# Altium PCB 飞镖测速模块.PcbDoc
Units mil, origin at the board's own origin, x right, y up, seen from the top; angles counter-clockwise.
Board outline 1835.03 x 1510.03 mil, 2 copper layers (Top Layer, Bottom Layer); 57 components, 36 nets, 169 pads, 38 vias.
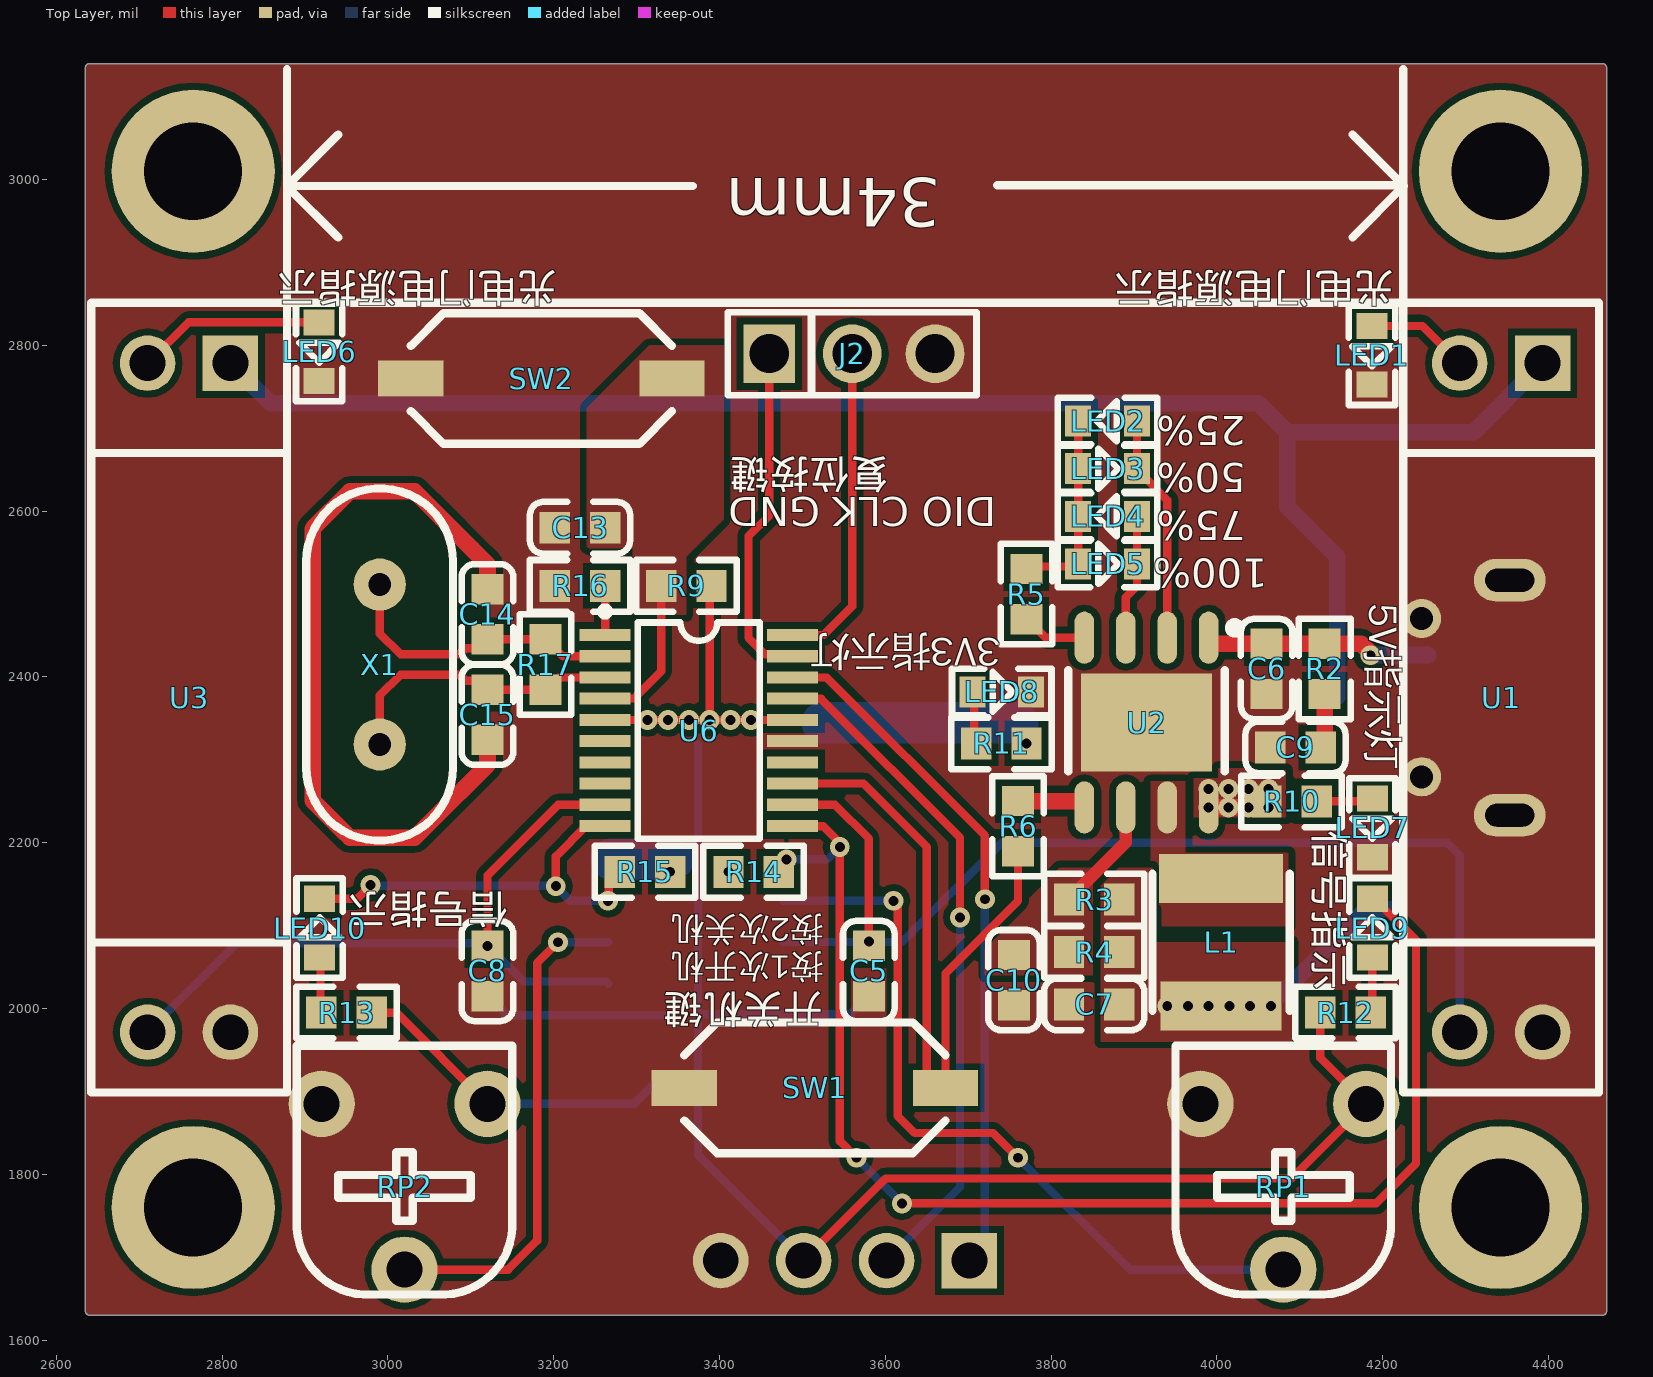
[diagram p0: Top Layer view]
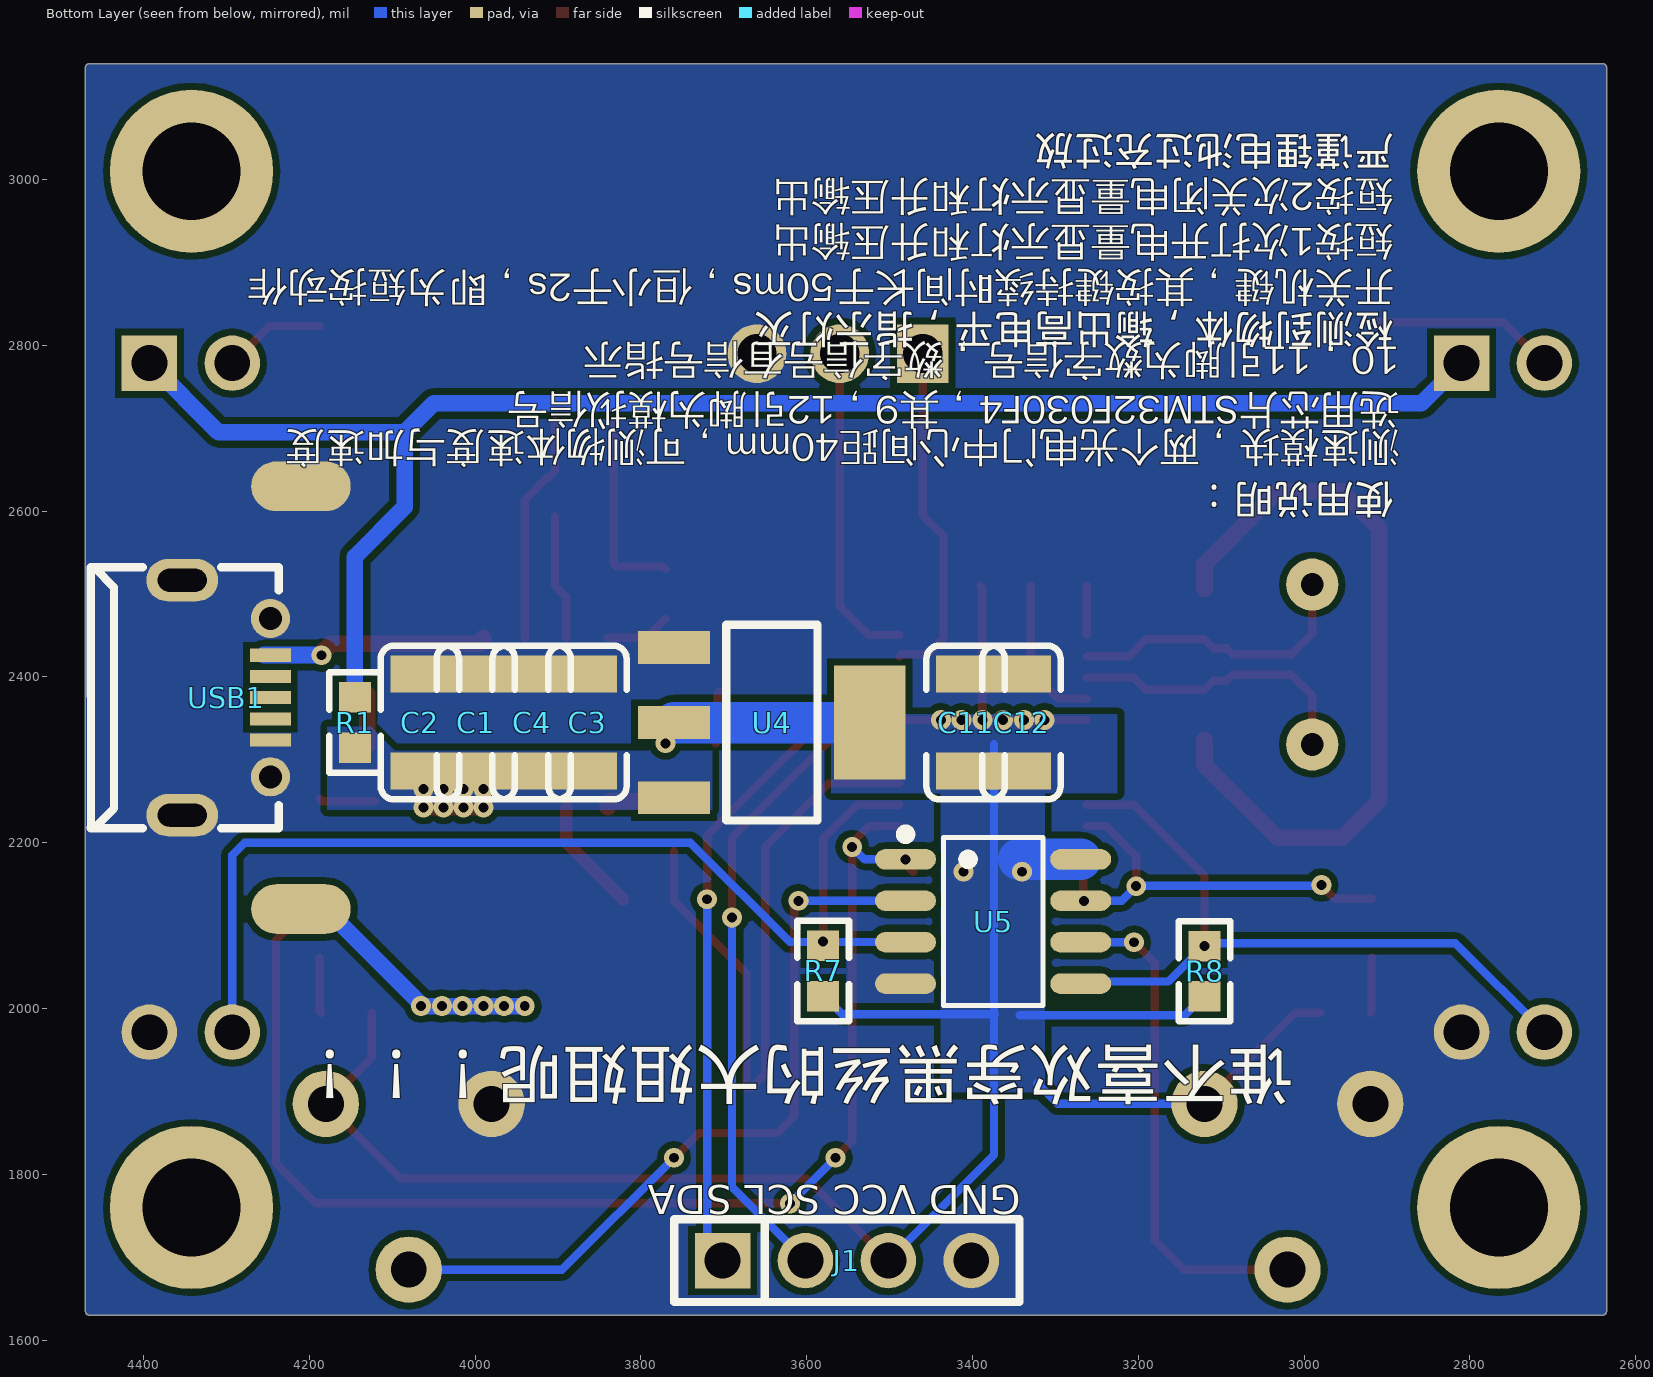
[diagram p1: Bottom Layer view, seen from below]
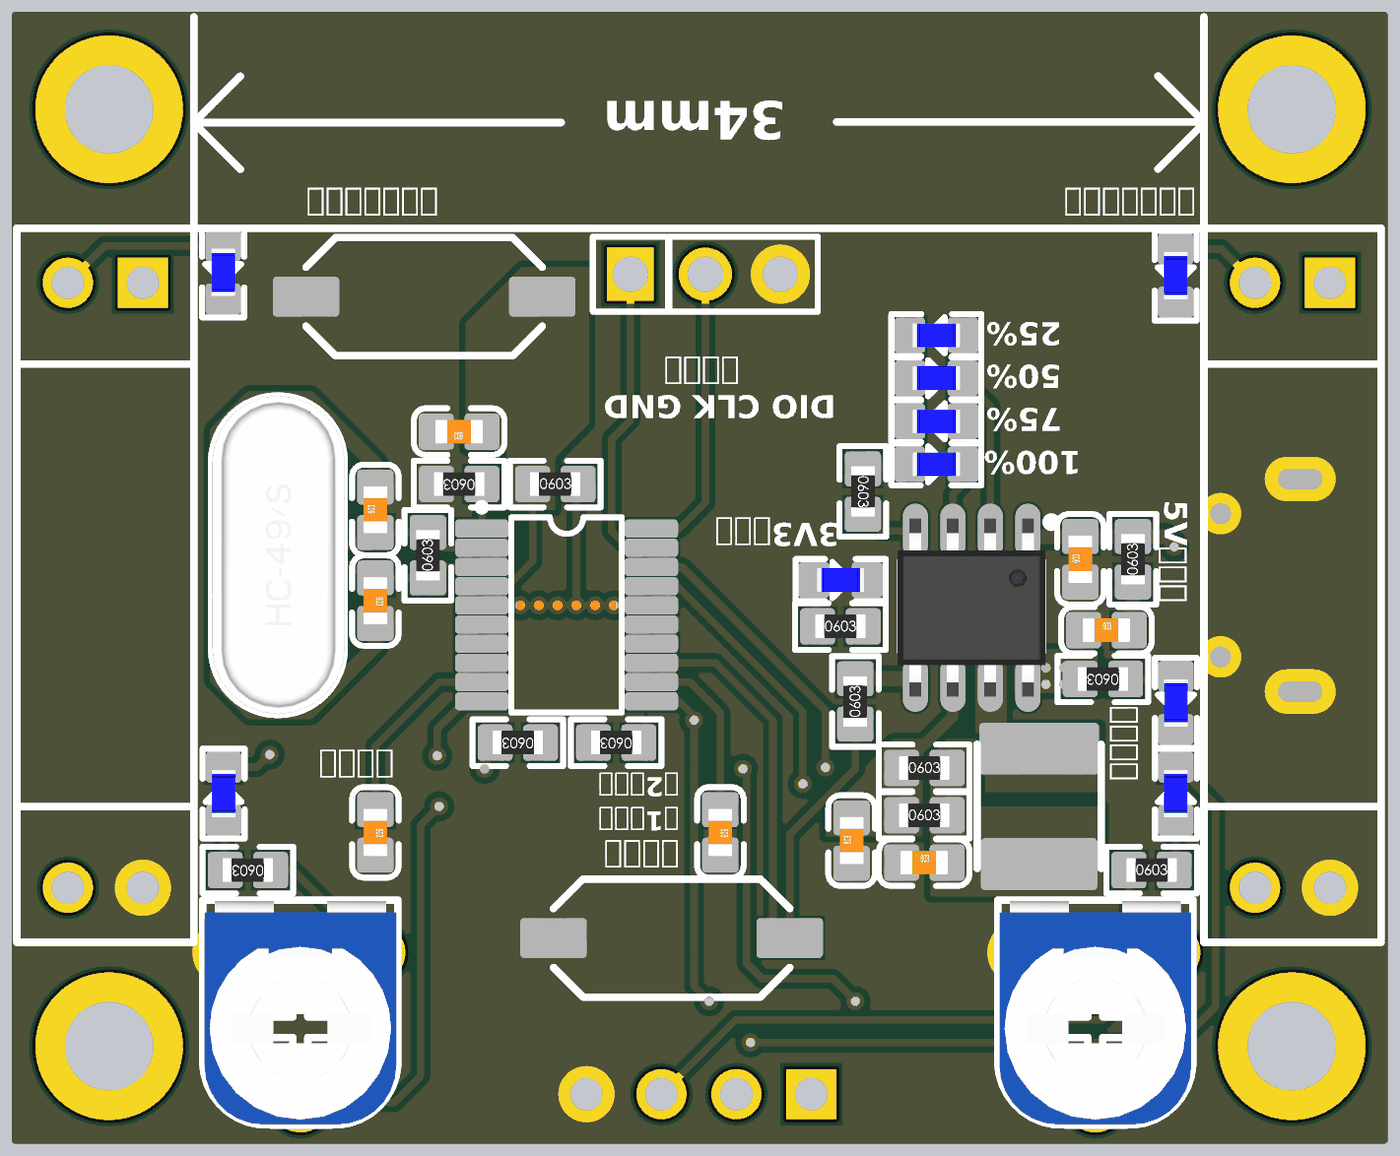
[diagram p2: 3D render of the assembled board from above, using the file's embedded part models]
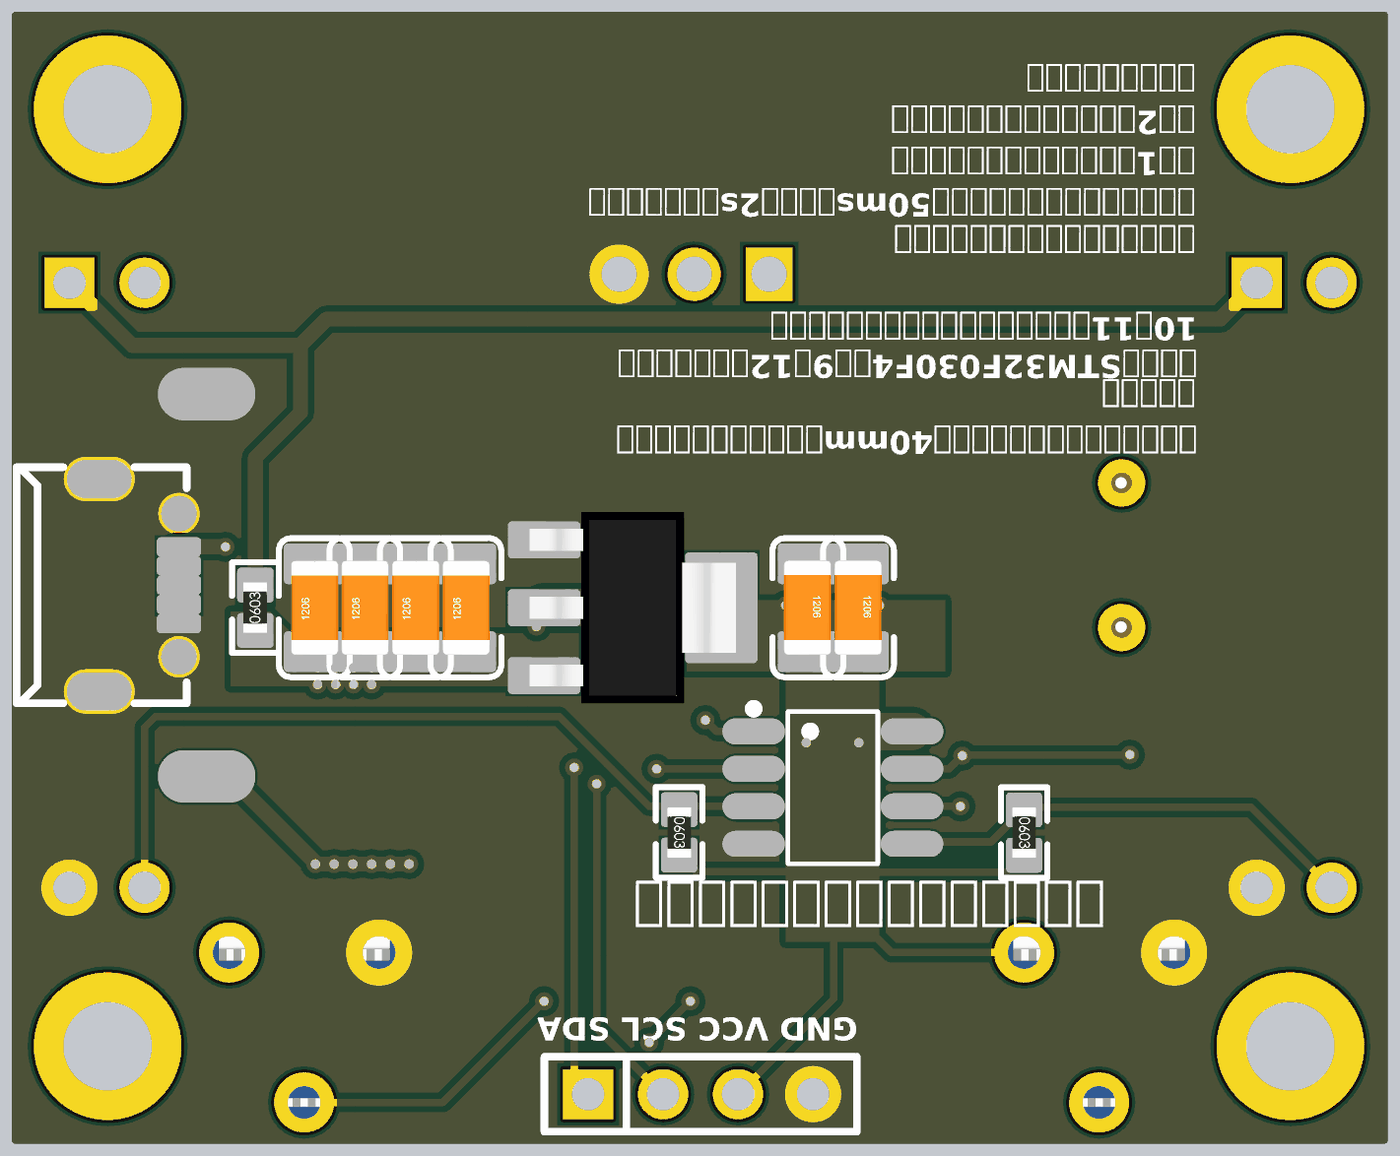
[diagram p3: 3D render of the assembled board from below, using the file's embedded part models]

## Layer stack, top to bottom
Top Solder: solder mask 0.4, Solder Resist, Dk 3.5
Top Layer: signal copper 1.4
Dielectric 1: dielectric 12.6, FR-4, Dk 4.8
Bottom Layer: signal copper 1.4
Bottom Solder: solder mask 0.4, Solder Resist, Dk 3.5

## Board outline
2634.99,1635 ccw(c2640,1635) 2641,1630.09 ccw(c2642,1635) 2642,1629.98 4465,1629.98 ccw(c4465,1635) 4470.02,1635 4470.01,3135 ccw(c4465,3135) 4465,3140.01 2642,3140.01 ccw(c2642,3135) 2641,3139.91 ccw(c2640,3135) 2634.99,3135

## Design rules (kind name [scope] priority, off if disabled: settings)
Clearance [All] p1: gap=8 ignorepadtopadclearanceinfootprint=TRUE
PasteMaskExpansion [All] p1: expansion=5
PolygonConnect [All] p1: connectstyle=Direct reliefconductorwidth=10 reliefentries=4 polygonreliefangle="90 Angle" airgapwidth=10
RoomDefinition 飞镖测速模块 [InComponentClass('飞镖测速模块')] p1: confinementstyle=ConfineIn formatcopy=TRUE lockcomponents=FALSE outline 0,0 2000,0 2000,1000 0,1000
RoutingVias [All] p1: holewidth=12 width=24 viastyle="Through Hole" minholewidth=12 minwidth=24 maxholewidth=28 maxwidth=50
SolderMaskExpansion [All] p1: expansion=4 istentingtop=FALSE
Width [All] p1: maxlimit=100 minlimit=8 preferedwidth=10
29 further rules are at their usual default settings.

## Components (designator, comment, footprint, x,y, rotation, side; value= is the part's Value field where it differs from the comment)
C1 "?F" 1206_C 3999.09,2345 r90 bottom
C2 "?F" 1206_C 4066.46,2345 r90 bottom
C3 "?F" 1206_C 3864.37,2345 r90 bottom
C4 "?F" 1206_C 3931.73,2345 r90 bottom
C5 "?F" 0603_C 3580,2045 r270 top
C6 "100nF" 0603_C 4060,2410 r90 top
C7 "100nF" 0603_C 3852.17,2005 r0 top
C8 "?F" 0603_C 3120,2045 r270 top
C9 "100nF" 0603_C 4095,2315 r0 top
C10 "100nF" 0603_C 3755,2034.65 r90 top
C11 "?F" 1206_C 3408.27,2345 r270 bottom
C12 "?F" 1206_C 3340.91,2345 r270 bottom
C13 "100nF" 0603_C 3231.37,2580 r180 top
C14 "?F" 0603_C 3120,2475.95 r90 top
C15 "?F" 0603_C 3120,2354.06 r270 top
J1 "HDR1x4" "排针排母 4P 2.54mm" 3551.41,1696 r180 bottom
J2 "HDR  1x3" "排针排母 3P 2.54mm" 3560,2790 r0 top
L1 "1uH" SMD_4*4*3MM 4005,2080 r270 top
LED1 "LED" LED_0603 4185,2790 r270 top
LED2 "25%" LED_0603 3870,2710.67 r180 top
LED3 "50%" LED_0603 3866,2649.22 r0 top
LED4 "75%" LED_0603 3870,2595.78 r180 top
LED5 "100%" LED_0603 3866,2534.33 r0 top
LED6 "LED" LED_0603 2915,2794.38 r270 top
LED7 "LED" LED_0603 4185.37,2220 r270 top
LED8 "LED" LED_0603 3738.37,2380 r0 top
LED9 "LED" LED_0603 4189.37,2095 r90 top
LED10 "LED" LED_0603 2919.63,2095 r90 top
R1 "RES" 0603_R 4145,2345 r90 bottom
R2 "2R" 0603_R 4130,2409.68 r90 top
R3 "1R" 0603_R 3851.85,2131.26 r0 top
R4 "1R" 0603_R 3851.85,2068.13 r0 top
R5 "10K" 0603_R 3770,2500 r270 top
R6 "10K" 0603_R 3760,2220 r90 top
R7 "RES" 0603_R 3580,2045.31 r270 bottom
R8 "RES" 0603_R 3120,2045 r270 bottom
R9 "10K" 0603_R 3360,2510 r0 top
R10 "RES" 0603_R 4090,2250 r180 top
R11 "RES" 0603_R 3740,2320 r0 top
R12 "10K" 0603_R 4155,1995 r0 top
R13 "10K" 0603_R 2950,1995 r180 top
R14 "10K" 0603_R 3441,2165 r180 top
R15 "10K" 0603_R 3310,2165 r180 top
R16 "10K" 0603_R 3231.69,2510 r180 top
R17 "RES" 0603_R 3190,2415 r90 top
RP1 "10K" RM065 4080,1685 r180 top
RP2 "10K" RM065 3020,1685 r180 top
SW1 "复位开关" SW-按键 3515,1904.36 r0 top
SW2 "复位开关" SW-按键 3185,2760 r0 top
U1 "光电门" ZGY1150(ITR) 4342.81,2375 r270 top
U2 "IP5306" SOP8-EP 3915,2345 r180 top
U3 "光电门" ZGY1150(ITR) 2760,2375 r270 top
U4 "AMS1117" SOT-223 3641.89,2345.01 r0 bottom
U5 "LM393N" SOP8 3393.84,2105 r180 bottom
U6 "STM32F030F4Px" TSSOP-20 3375,2335.41 r270 top
USB1 "micro USBFemale" MICRO-USB-SMD_5P-P0.65-H-F_C10418 4300,2375 r270 bottom
X1 "?MHz" "XTAL 直插" 2990,2415 r90 top

## Footprints (in the part's own frame and the unit in brackets; to place one, negate y for a bottom-side part, rotate by r counter-clockwise, add the part's x,y. Pads: shape width x height; smd on the part's side, far side on the other; paste and mask are expansions set on the pad)
0603_C [mm] "SMD, 0603"
  rect 0.93x0.98 smd: 1(-0.778,0) 2(0.762,0)
  silkscreen extent -1.54,-0.79 1.53,0.79, body extent -0.81,-0.4 0.79,0.4, height 0.3
0603_R [mm] "SMD, 0603"
  rect 0.93x0.98 smd: 1(-0.77,0) 2(0.77,0)
  silkscreen extent -1.53,-0.79 1.54,0.79, body extent -0.85,-0.4 0.85,0.4, height 0.56
1206_C [mm] "SMD, 1206"
  rect 1.13x1.8 smd: 1(-1.49,0) 2(1.49,0)
  silkscreen extent -2.36,-1.2 2.35,1.2, body extent -1.6,-0.81 1.6,0.79, height 1
LED_0603 [mm]
  rect 0.8x0.95 smd: 1(-0.849,0.051) 2(0.951,0.051)
  silkscreen extent -1.47,-0.66 1.57,0.76, body extent -0.75,-0.34 0.85,0.46, height 0.8
MICRO-USB-SMD_5P-P0.65-H-F_C10418 [mm]
  oval 1.3x2.2 hole 0.7 slot 1.5 at 90 deg: 0(-3.6,-1.35) 0(3.6,-1.35)
  round 1.2 hole 0.7: 0(-2.425,1.35) 0(2.425,1.35)
  rect 0.4x1.25 smd: 1(-1.3,1.35) 2(-0.65,1.35) 3(0,1.35) 4(0.65,1.35) 5(1.3,1.35)
  silkscreen extent -4,-4.15 4,1.61
RM065 [mil] "蓝白可调电位器"
  round 80 hole 43.31: 1(-100,-200) 2(0,0) 3(100,-200)
  silkscreen extent -130,-270 130,30, body extent -128,-269 128,30, height 299
SMD_4*4*3MM [mm] "Precision Wire Wound Inductor, 2-Leads, Body 4.00x4.00mm, IPC Medium Density"
  rect 1.5x3.8 smd: 1(-1.954,0)
  rect 1.5x3.7 smd: 2(1.954,0)
  silkscreen extent -2.1,-2.1 2.1,2.1, body extent -2.1,-2.1 2.1,2.1, height 3
SOP8 [mm] "L4.9-W3.9-P1.27-LS6.0-BL"
  oval 1.865x0.63 smd: 1(-2.204,1.905) 2(-2.204,0.635) 3(-2.204,-0.635) 4(-2.204,-1.905) 5(3.161,-1.905) 6(3.161,-0.635) 7(3.161,0.635) 8(3.161,1.905)
  silkscreen extent -2.35,-2.58 2,2.82
SOP8-EP [mm]
  rect 4x3 smd: 0(0,0)
  oval 0.6x1.6 smd: 1(-1.905,-2.6) 2(-0.635,-2.6) 3(0.635,-2.6) 4(1.905,-2.6) 5(1.905,2.6) 6(0.635,2.6) 7(-0.635,2.6) 8(-1.905,2.6)
  silkscreen extent -2.85,-3.05 2.4,1.5, body extent -2.51,-3.02 2.51,3.02, height 1.6
SOT-223 [mm]
  rect 2.2x1 smd: 1(3,-2.3) 2(3,0) 3(3,2.3)
  rect 2.2x3.5 smd: 2(-3,0)
  silkscreen extent -1.4,-3 1.4,3, body extent -3.49,-3.24 3.49,3.24, height 1.64
SW-按键 [mm]
  rect 2x1.1 smd: 1(-4,0) 2(4,0)
  silkscreen extent -4,-2 4,2
TSSOP-20 [mil] "STM32F030F4Px"
  rect 14.5x61.5 smd: 1(-115.16,-113) 2(-89.57,-113) 3(-63.98,-113) 4(-38.39,-113) 5(-12.8,-113) 6(12.79,-113) 7(38.39,-113) 8(63.98,-113) 9(89.57,-113) 10(115.16,-113) 11(115.16,113) 12(89.57,113) 13(63.98,113) 14(38.39,113) 15(12.79,113) 16(-12.8,113) 17(-38.39,113) 18(-63.98,113) 19(-89.57,113) 20(-115.16,113)
  silkscreen extent -149,-118 130,73
"XTAL 直插" [mm]
  round 1.6 hole 0.7: 1(-2.45,0) 2(2.45,0)
  silkscreen extent -5.39,-2.25 5.39,2.25, body extent -5.39,-2.27 5.41,2.23, height 3.6
ZGY1150(ITR) [mm] "光电门   15MM间隙"
  rect 1.7x1.7 hole 1.1: 1(-10.25,1.27)
  round 1.7 hole 1.1: 2(-10.25,-1.27) 3(10.25,-1.27) 4(10.25,1.27)
  silkscreen extent -12.1,-3 12.1,3
"排针排母 3P 2.54mm" [mm]
  rect 1.575x1.8 hole 1.2: 1(-2.54,0)
  round 1.8 hole 1.2: 2(0,0) 3(2.54,0)
  silkscreen extent -3.81,-1.27 3.81,1.27
"排针排母 4P 2.54mm" [mm]
  rect 1.7x1.7 hole 1.1: 1(-3.81,0)
  round 1.7 hole 1.1: 2(-1.27,0) 3(1.27,0) 4(3.81,0)
  silkscreen extent -5.29,-1.27 5.29,1.27

## Part data
C1 C2 C3 C4 C5 C6 C7 C8 C9 C10 C11 C12 C14 C15: library part CAP, "Capacitor"
C13: library part Cap, LatestRevisionDate=17-Jul-2002, LatestRevisionNote="Re-released for DXP Platform.", PackageReference=RAD-0.3, Published=8-Jun-2000, Publisher="Altium Limited"
J1 J2: "Connector"
L1: library part Inductor, "Inductor", Code_IEC=1005, Code_JEITA=0402, LatestRevisionDate=17-Jul-2002, LatestRevisionNote="Re-released for DXP Platform.", PackageReference=0402-A, Published=8-Jun-2000, Publisher="Altium Limited"
LED2 LED3 LED4 LED5: library part LED, "LED"
R1 R7 R8 R10 R11 R17: "Resistor"
R2 R3 R4 R5 R6 R16: library part RES, "Resistor"
R9 R12 R13 R14 R15: library part Res, LatestRevisionDate=17-Jul-2002, LatestRevisionNote="Re-released for DXP Platform.", PackageReference=AXIAL-0.4, Published=8-Jun-2000, Publisher="Altium Limited"
RP1 RP2: library part RP-ID, "插件单联电位器", BOM名称=插件电位器, 学习资源=www.ooocke.com, 版权归属=源创客
SW1 SW2: "开关"
U1 U3: BOM_JLCPCB Part Class="Extended Part", BOM_Manufacturer="Chau Light", BOM_Manufacturer Part=ZGY1150(ITR), BOM_Supplier=LCSC, BOM_Supplier Part=C277764, Contributor=LCSC, spicePre=U, spiceSymbolName=ZGY1150(ITR)
U2: "电池管理芯片", BOM_JLCPCB Part Class="Extended Part", BOM_Manufacturer=INJOINIC, BOM_Manufacturer Part=IP5306, BOM_Supplier=LCSC, BOM_Supplier Part=C181692, Contributor=LCSC, spicePre=U, spiceSymbolName=IP5306
U4: "LDO"
U5: "电压比较器", BOM_JLCPCB Part Class="Extended Part", BOM_Manufacturer="SHOU HAN", BOM_Manufacturer Part=MSK12C02, BOM_Supplier=LCSC, BOM_Supplier Part=C431540, Contributor=LCSC, spicePre=S, spiceSymbolName=MSK12C02
U6: "STM32单片机", BOM_JLCPCB Part Class="Extended Part", BOM_Manufacturer=STMicroelectronics, BOM_Manufacturer Part=STM32F030F4P6, BOM_Supplier=LCSC, BOM_Supplier Part=C32908, spicePre=U, spiceSymbolName=STM32F030F4P6
USB1: BOM_JLCPCB Part Class="Extended Part", BOM_Manufacturer=ValuePro, BOM_Manufacturer Part="micro USBFemale", BOM_Supplier=LCSC, BOM_Supplier Part=C10418, spicePre=U, spiceSymbolName="micro USBFemale"
X1: library part XTAL, "8MHz,12MHz"

## Free pads (board coordinates)
  round 196.85 hole 118.11: 0(2765,1760) 0(2765,3010) 0(4342,1760) 0(4342,3010)
  oval 120x60 smd far side mask+4: 2(4210,2120) 2(4210,2630)

## Via types
v1: diameter 24, hole 12, Top Layer to Bottom Layer, 38 vias

## Nets (pads, with @x,y where several pads share a name; then routed paths per layer and width w, separated by ;. In a path a pad name is that pad's centre, name@x,y a point inside that pad or via, vN(x,y) a via of type N, cw(c..) or ccw(c..) an arc to the next point about the centre after c; other vN are vias at no path point)
3V3: C11.2 C12.2 J1.3 R7.2 R8.2 R9.2 R11.2 R12.1 R13.1 R14.2 R15.1 RP1.1 RP2.1 U4.2 U5.8 U6.5 U6.16 | length 3140.5
  Top Layer w10: R13.1 3010,1995 RP2.1 ; U6.5 v1(3313,2348.2) v1(3338,2348.2) v1(3363,2348.2) v1(3388,2348.2) ; R9.2 3388,2507.68 v1(3388,2348.2) ; U6.16 v1(3438,2348.2) v1(3413,2348.2) v1(3388,2348.2) ; J1.3 3600.41,1795 4090,1795 RP1.1 4124.69,1940.31 R12.1
  Bottom Layer w10: RP2.1 3297,1885 3322,1910 ; R8.2 3120.98,2014.68 3143.67,1992 3343,1992 ; 3373,1993 3374,1993 ; 3374,2319 3374,1993 ; J1.3 3374,1823.41 3374,1993 ; R7.2 3579.02,2015 3557.02,1993 3374,1993 ; U4.2@3760,2345.01 3770.32,2334.69 v1(3770.32,2320)
  Bottom Layer w50: U5.8 3344,2180 ; U4.2@3523.78,2345.01 U4.2@3760,2345.01
  other v1: 3340.31,2165 3410.68,2165
5V: C1.1 C2.1 C3.1 C4.1 R1.1 R10.2 U2.8 U4.3 | length 62.3
  Top Layer w20: v1(3990,2242.64) R10.2@4052.32,2242.64
  other v1: 4014,2242.64 4038,2242.64 4062,2242.64 3990,2265 4014,2265 4038,2265 4062,2265
A0: C5.1 R7.1 U1.3 U5.3 U6.12 | length 1318.9
  Top Layer w10: U6.12 3539.16,2245.84 3580,2205 v1(3580,2080.63)
  Bottom Layer w10: U5.3@3476.77,2080 3476.93,2080.16 R7.1@3579.84,2080.16 ; v1(3580,2080.63) 3580.32,2080.31 3620.31,2080.31 3740,2200 4278.17,2200 4292.81,2185.36 U1.3
A1: C8.1 R8.1 U3.3 U5.5 U6.9 | length 878.9
  Top Layer w10: v1(3120,2075.63) 3120,2160.69 3205.15,2245.84 U6.9
  Bottom Layer w10: U3.3 2817.31,2078.77 R8.1@3126.23,2078.77 ; R8.1@3126.23,2070.07 3163.61,2032.68 3262.86,2032.68 U5.5@3265.55,2030
BAT: C7.2 L1.2 pad.2@4210,2120 R3.2 R4.2 | length 318.5
  Bottom Layer w20: v1(3940,2003) 4063,2003 4180,2120 pad.2@4210,2120
  other v1: 3965,2003 3990,2003 4015,2003 4040,2003 4065,2003
D0: LED9.2 R14.1 U5.1 U6.11 | length 1607.6
  Top Layer w10: R14.1 3480.61,2174.3 v1(3480.61,2180) ; U6.11 3511,2220.25 3511.25,2220 3525,2220 3545,2200 3545,1840 v1(3565,1820) ; v1(3620,1765) 4192,1765 4240,1813 4240,2082.76 4190.32,2132.43 LED9.2
  Bottom Layer w10: U5.1@3476.77,2180 v1(3480.61,2180) 3530,2180 v1(3545,2195) ; v1(3565,1820) v1(3620,1765)
D1: LED10.2 R15.2 U5.7 U6.10 | length 500.5
  Top Layer w10: LED10.2 2962.43,2132.43 v1(2979,2149) ; v1(3202.41,2147.59) 3202.41,2183.66 3239,2220.25 U6.10 ; v1(3265.55,2130) 3266.38,2130.83 R15.2@3266.38,2156.69
  Bottom Layer w10: v1(2979,2149) 2979.7,2148.3 3201.7,2148.3 3220,2130 v1(3265.55,2130)
GND: C1.2 C2.2 C3.2 C4.2 C5.2 C6.1 C7.1 C8.2 C9.1 C10.1 C11.1 C12.1 C13.2 C14.2 C15.2 J1.4 J2.3 LED1.2 LED6.2 LED7.2 LED8.2 pad.2@4210,2630 R16.2 RP1.3 RP2.3 SW1.1 SW2.1 U1.4 U2.0 U3.4 U4.1 U5.4 U6.15 USB1.0 USB1.5 | length 920.3
  Top Layer w20: C15.2 3120,2294 3051,2225 3032,2206 3031,2206 3001,2206 2971,2206 2954,2206 2944.5,2215.5 2909,2251 2909,2260 2909,2289 2909,2318 2909,2347 2909,2376 2909,2405 2909,2434 2909,2463 2909,2492 2909,2521 2909,2550 2909,2579 2954,2624 2964,2624 2993,2624 3022,2624 3032,2624 3064.5,2591.5 3101.5,2554.5 3120,2536 C14.2
NetC9_2: C9.2 R2.1 | length 66.4
  Top Layer w10: C9.2 C9.2@4130,2320
  Top Layer w20: C9.2@4130,2320 R2.1
NetC10_2: C10.2 R3.1 R4.1 U2.6 | length 139.7
  Top Layer w15: R3.1 3821.54,2132.24 3890,2200.71 U2.6
NetL1_1: L1.1 U2.7
NetLED1_1: LED1.1 U1.2 | length 124.4
  Top Layer w10: LED1.1 4247.92,2823.43 U1.2
NetLED2_1: LED2.1 LED3.2 U2.2 | length 277.6
  Top Layer w10: LED2.1 LED3.2 3903.43,2648.27 3911.68,2640.02 3913.56,2640.02 3940,2613.58 U2.2
NetLED2_2: LED2.2 LED3.1 LED4.2 LED5.1 R5.1 | length 237.4
  Top Layer w10: R5.1 3773.01,2533.32 3829.56,2533.32 LED5.1 LED4.2 LED2.2
NetLED4_1: LED4.1 LED5.2 U2.3 | length 152
  Top Layer w10: U2.3 3890,2496.17 3903.43,2509.6 LED5.2 LED4.1
NetLED6_1: LED6.1 U3.2 | length 227.4
  Top Layer w10: U3.2 2759.27,2827.81 LED6.1
NetLED7_1: LED7.1 R10.1 | length 68.5
  Top Layer w10: R10.1 4183.94,2250 LED7.1
NetLED8_1: LED8.1 R11.1 | length 64
  Top Layer w10: LED8.1 3707.31,2379.63 3707.31,2322.37 R11.1
NetLED9_1: LED9.1 R12.2 | length 67.4
  Top Layer w10: R12.2 4187.37,1997.05 LED9.1
NetLED10_1: LED10.1 R13.2 | length 67.4
  Top Layer w10: LED10.1 2918.66,2060.54 2918.66,1996.03 R13.2
NetR1_2: R1.2 U1.1 U3.1 | length 1996.6
  Bottom Layer w20: U3.1 2858.54,2730 4050,2730 4085,2695 ; R1.2 4145,2545 4085,2605 4085,2695 ; U1.1 4309.27,2695 4085,2695
NetR5_2: R5.2 U2.4 | length 79.2
  Top Layer w10: R5.2 3770.98,2469.68 3793.31,2447.36 U2.4
NetR6_1: 
NetR6_2: R6.2 U2.5 | length 86.7
  Top Layer w20: R6.2 3838.33,2250.32 3840,2248.64 U2.5
NetR16_1: R16.1 U6.1 | length 59.4
  Top Layer w10: U6.1 R16.1
NetRP1_2: RP1.2 U5.2 | length 934.7
  Top Layer w10: v1@3614.79,2130 3614.79,1870.56 3635.36,1850 3730,1850 v1(3760,1820)
  Bottom Layer w10: U5.2@3476.77,2130 v1(3610,2130) ; v1(3760,1820) 3895,1685 RP1.2
NetRP2_2: RP2.2 U5.6 | length 605.4
  Top Layer w10: RP2.2 3145,1685 3180,1720 3180,2055 v1(3205,2080)
  Bottom Layer w10: v1(3205,2080) U5.6@3265.55,2080
NRST: C13.1 R9.1 SW2.2 U6.4 | length 184.4
  Top Layer w10: U6.4 3262.25,2374.04 3296.58,2374.04 3329.69,2407.15 R9.1
OSC_IN: C14.1 R17.2 U6.2 X1.2 | length 357.1
  Top Layer w10: X1.2 2990,2452.48 3014.98,2427.5 3086.24,2427.5 3093.25,2434.51 3109.19,2434.51 C14.1 R17.2 3190.98,2445.32 3211.32,2424.97 U6.2
OSC_OUT: C15.1 R17.1 U6.3 X1.1 | length 354.8
  Top Layer w10: X1.1 2990,2377.52 3014.98,2402.5 3086.24,2402.5 3093.25,2395.49 3109.19,2395.49 C15.1 R17.1 3190.98,2384.69 3205.68,2399.38 U6.3
SCL: J1.2 U6.17 | length 818.3
  Top Layer w10: U6.17 3488.25,2373.54 3522.58,2373.54 3690,2206.12 v1(3690,2110)
  Bottom Layer w10: J1.2 3690,1784.59 v1(3690,2110)
SDA: J1.1 U6.18 | length 831.4
  Top Layer w10: U6.18 3529.27,2399.38 3720,2208.65 v1(3720,2131.82)
  Bottom Layer w10: J1.1 3720,1714.59 v1(3720,2131.82)
SWCLK: J2.2 U6.20 | length 391.3
  Top Layer w10: U6.20 3511,2450.56 3525.56,2450.56 3560,2485 J2.2
SWDIO: J2.1 U6.19 | length 415.4
  Top Layer w10: J2.1 3460,2595 3435,2570 3435,2447.18 3454.96,2427.22 3485.75,2427.22 U6.19
VIN: C6.2 R2.2 U2.1 USB1.1 | length 275.6
  Top Layer w20: U2.1 3990,2441.67 3991.67,2440 C6.2 R2.2 4173.92,2440 4183.92,2430 v1@4185,2430
  Bottom Layer w20: v1(4185,2426.18) 4185.28,2426.47 USB1.1@4255,2426.47
开关: R6.1 SW1.2 U6.13 | length 818.6
  Top Layer w10: U6.13 3573.57,2271.43 3650,2195 3650,1921.02 3666.65,1904.36 SW1.2 3672.48,2042.48 3760,2130 R6.1
pads on no net: U6.6 U6.7 U6.8 U6.14 USB1.2 USB1.3 USB1.4

## Polygon pours and split planes (outlines as drawn)
GND on Top Layer "GND_L01_P009" (solid, pour order 9): 2634.99,1635 ccw(c2640,1635) 2641,1630.09 ccw(c2642,1635) 2642,1629.98 4465,1629.98 ccw(c4465,1635) 4470.02,1635 4470.01,3135 ccw(c4465,3135) 4465,3140.01 2642,3140.01 ccw(c2642,3135) 2641,3139.91 ccw(c2640,3135) 2634.99,3135
5V on Top Layer "NONET_L-01_P-001" (solid, pour order 8): 3972,2231 4083,2231 4083,2290 3972,2290
NetL1_1 on Top Layer "NONET_L-01_P-001" (solid, pour order 6): 3963,2274 3962,2273 3962,2188 4085,2188 4086,2189 4086,2099 3920,2099 3920,2274
NRST on Top Layer "NONET_L-01_P-001" (solid, pour order 2): 3405,2800 3405,2590 3360,2545 3360,2475 3295,2475 3295,2555 3245,2555 3240,2550 3240,2725 3315,2800
BAT on Top Layer "NONET_L-01_P-001" (solid, pour order 1): 3860,2170 3925,2170 3925,2080 4090,2080 4090,1960 3860,1960
NetC10_2 on Top Layer "NONET_L-01_P-001" (solid, pour order 0): 3850,2170 3850,2040 3720,2040 3720,2080 3810,2170
GND on Bottom Layer "GND_L02_P010" (solid, pour order 10): 2634.99,1635 ccw(c2640,1635) 2641,1630.09 ccw(c2642,1635) 2642,1629.98 4465,1629.98 ccw(c4465,1635) 4470.02,1635 4470.01,3135 ccw(c4465,3135) 4465,3140.01 2642,3140.01 ccw(c2642,3135) 2641,3139.91 ccw(c2640,3135) 2634.99,3135
5V on Bottom Layer "NONET_L-01_P-001" (solid, pour order 7): 4178,2340 4178,2240 3714,2240 3714,2311 4097,2311 4126,2340
3V3 on Bottom Layer "NONET_L-01_P-001" (solid, pour order 5): 3438,2348.2 3313,2348.2 3313,1899 3438,1899
3V3 on Bottom Layer "NONET_L-01_P-001" (solid, pour order 3): 3225,2260 3570,2260 3570,2355 3225,2355

## Other copper
Top Layer:
  pour cut-out: 3120,2295 3031,2206 2963,2206 2909,2260 2909,2579 2919,2579 2964,2624 3032,2624 3120,2536

## Silkscreen, mask and mechanical layers (free items; w line width, h text height)
Top Overlay:
  lines w10: 2878.11,3133.11 2878.11,2851.38 ; 2881.38,2851.38 2878.11,2851.38 ; 2940,2930 2878.11,2991.89 2878.11,2992.24 ; 2940,3054.13 2878.11,2992.24 ; 3367.76,2992.24 2878.11,2992.24 ; 3735.06,2993.19 4224.7,2993.19 ; 4163.41,2930.35 4225.3,2992.24 ; 4163.41,3054.49 4225.3,2992.6 ; 4224.7,3133.11 4224.7,2851.38 2878.11,2851.38
  text "34mm" at 3666.99,3020.87 h100 r180
  text "光电门电源指示" at 3204,2897.73 h60 r180
  text "光电门电源指示" at 4214,2897.73 h60 r180
  text "25%" at 4034.94,2725.84 h60 r180
  text "复位按键" at 3605.22,2672.73 h60 r180
  text "50%" at 4035,2669 h60 r180
  text "DIO CLK GND" at 3734,2628.45 h60 r180
  text "75%" at 4035,2611.56 h60 r180
  text "100%" at 4061,2554.11 h60 r180
  text "5V指示灯" at 4171.94,2489 h60 r270
  text "3V3指示灯" at 3739,2458.06 h60 r180
  text "信号指示" at 4106.94,2214.8 h60 r270
  text "信号指示" at 3144.8,2148.06 h60 r180
  text "按2次关机" at 3525.27,2118.78 h50 r180
  text "按1次开机" at 3525.27,2073.28 h50 r180
  text "开关机键" at 3525.27,2027.78 h60 r180
Bottom Overlay:
  text "严谨锂电池过充过放" at 2891.06,3062.89 h60 r180
  text "短按2次关闭电量显示灯和升压输出" at 2891,3007.67 h60 r180
  text "短按1次打开电量显示灯和升压输出" at 2891,2952.67 h60 r180
  text "开关机键，其按键持续时间长于50ms，但小于2s，即为短按动作" at 2891,2897.56 h60 r180
  text "检测到物体，输出高电平，指示灯灭" at 2891.06,2847.89 h60 r180
  text "选用芯片STM32F030F4，其9，12引脚为模拟信号 / 10，11引脚为数字信号，数字信号有信号指示" at 2885,2810 h60 r180
  text "测速模块，两个光电门中心间距40mm，可测物体速度与加速度" at 2885,2705 h60 r180
  text "使用说明：" at 2891.06,2642.45 h60 r180
  text "谁不喜欢穿黑丝的大姐姐呢！！！" at 3011.68,1968.36 h100 r180
  text "GND VCC SCL SDA" at 3341.76,1798.44 h60 r180
Mechanical 1:
  lines w10: 2640,1635 2640,3135 ; 2642,1635 4465,1635 4465,3135 2642,3135